# Allegro board T736_DEMO_DBOARD_V0-5-draft.brd (continued)
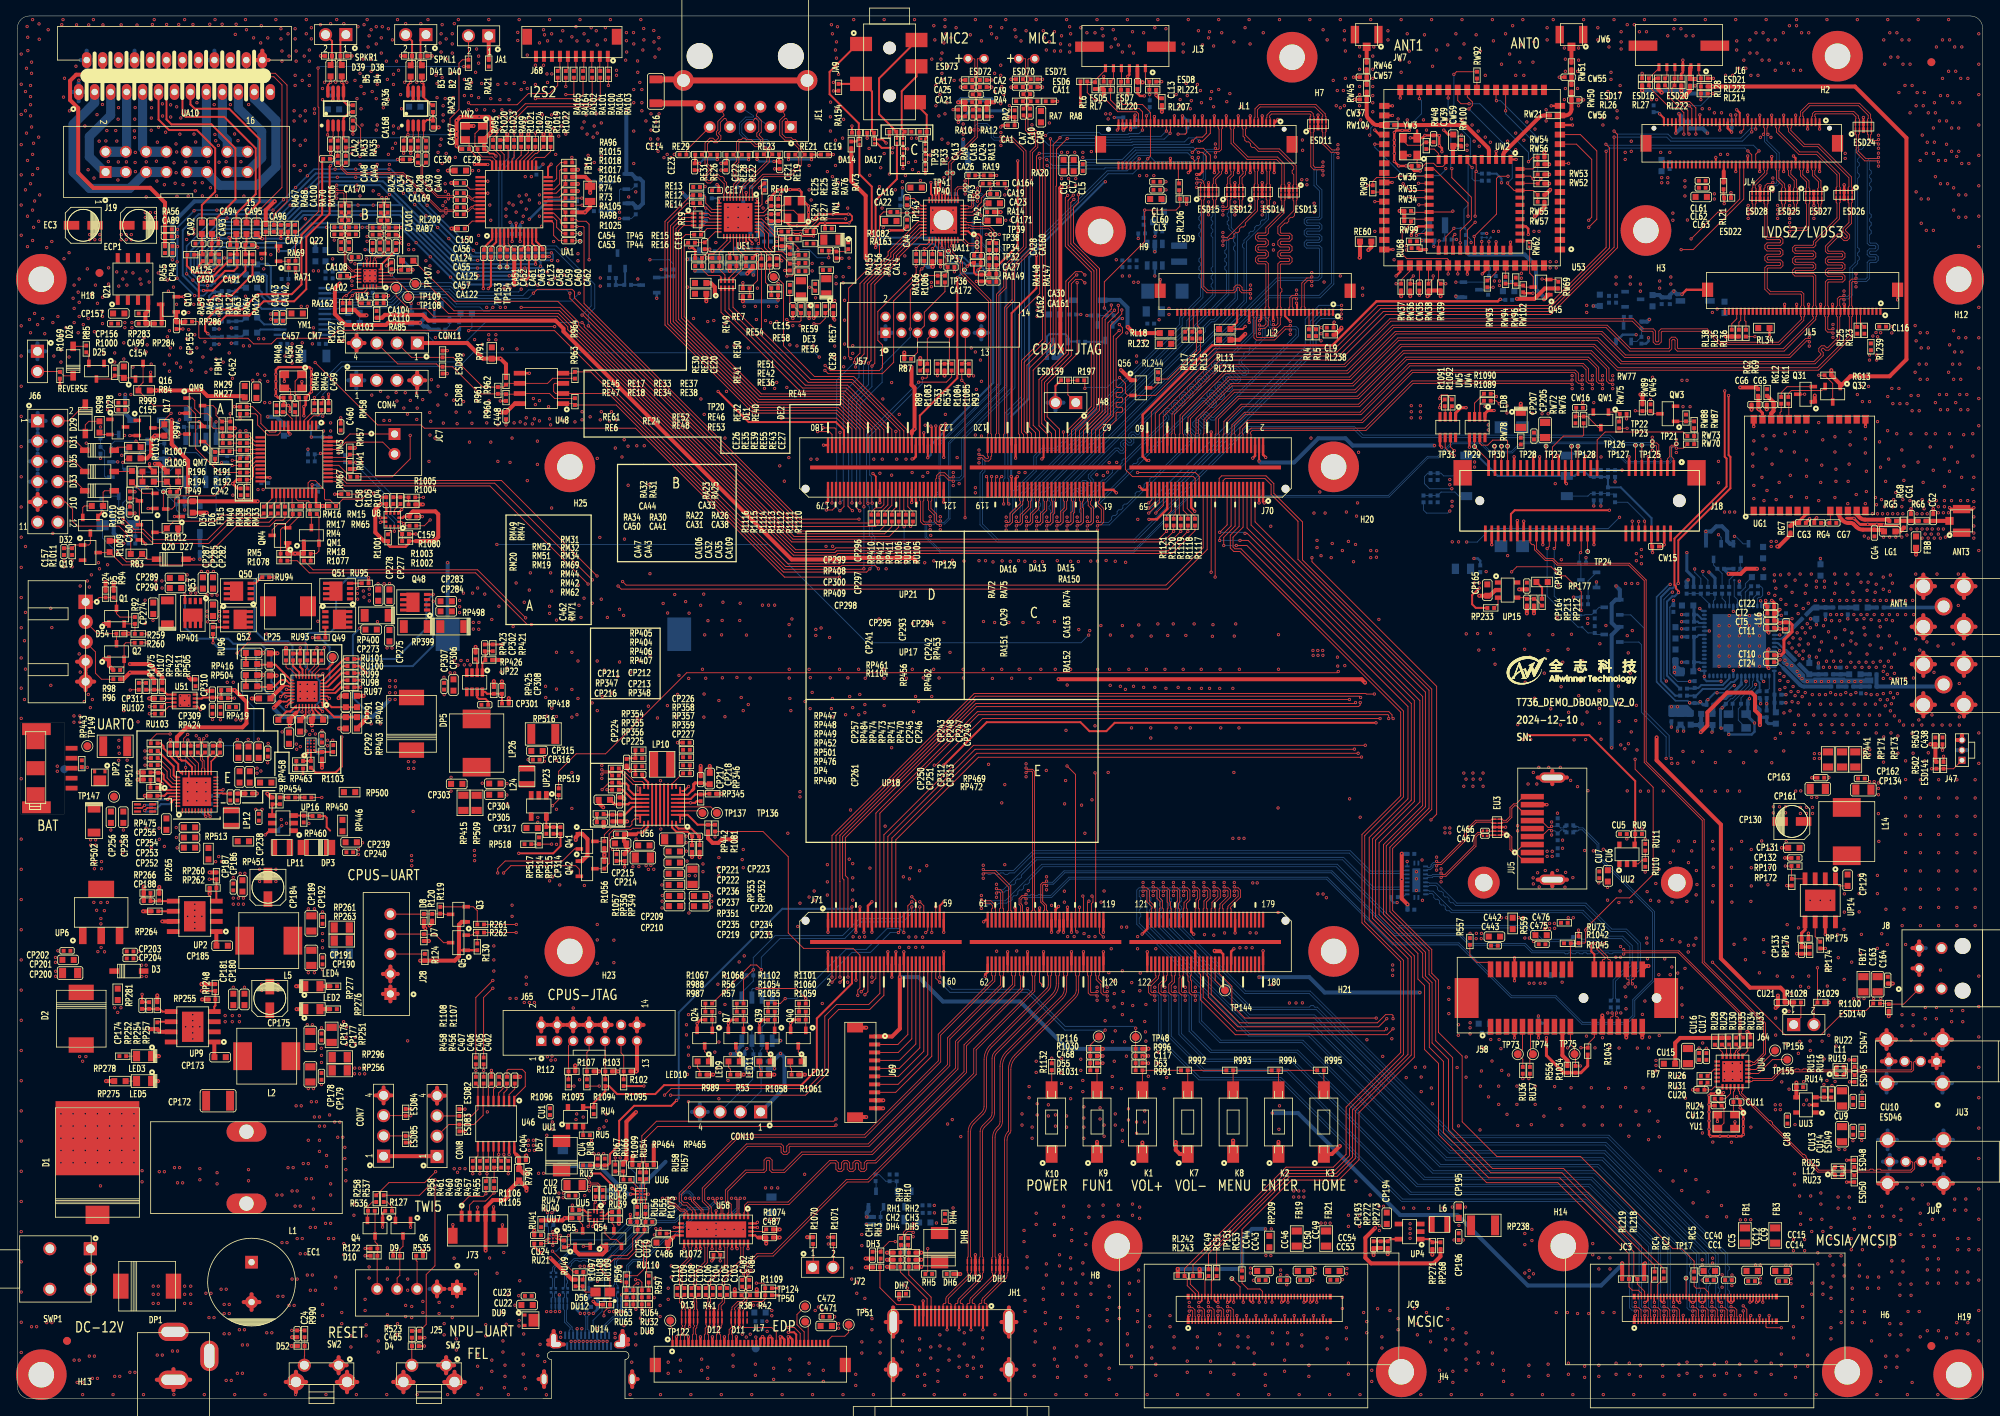
[diagram p0: board, top side]
## Routing (per net, layer and track width the routed paths; a pad name or vN(x,y) marks a point on that pad's centre or on a via; arc(x,y) is an arc through that point) (continued)
  BOTTOM w0.381: v1(190.55,47.96) 190.55,47.44 190.93,47.06 C478.2 ; v1(209.14,106.05) 209.14,103.76 210.01,102.9 CT40.1
  BOTTOM w0.508: 45.8,50.73 J28.1 ; J28.1 46.73,49.8 ; J28.1 47.66,50.73 ; J28.1 46.73,51.66 ; 52.71,4.19 SW3.1 ; SW3.1 53.71,3.18 ; SW3.1 54.72,4.19 ; SW3.1 53.71,5.19 ; 23.91,167.78 UA10.18 ; UA10.18 25.46,167.78 ; UA10.18 24.69,166.6 ; UA10.18 24.69,168.95 ; 7.69,162.6 UA10.1 ; UA10.1 8.46,163.77 ; UA10.1 7.69,164.95 ; UA10.1 6.91,163.77 ; 28.36,12.11 EC1.2 ; EC1.2 29.34,13.08 ; EC1.2 30.32,12.11 ; EC1.2 29.34,11.13 ; UA10.2 8.68,168.95 ; UA10.2 7.91,167.78 ; UA10.2 8.68,166.6 ; UA10.2 9.46,167.78 ; 234.29,25.79 JU4.5 ; JU4.5 234.29,28.15 ; JU4.5 233.12,26.97 ; JU4.5 235.47,26.97 ; 66.5,6.8 JU2.4 68.46,6.8 ; 192.29,64.22 JU5.10 ; JU5.10 190.46,65.05 ; JU5.10 194.12,65.05 ; JU5.10 192.29,65.88 ; CON4.4 50.09,128.64 ; CON4.4 49.08,127.64 ; CON4.4 50.09,126.63 ; CON4.4 51.09,127.64 ; JH1.21 125.15,9.6 ; JH1.21 124.22,7.78 ; JH1.21 123.29,9.6 ; JH1.21 124.22,11.43 ; JU4.4 235.42,29.7 ; JU4.4 233.71,29.7 ; JU4.4 234.56,28.85 ; JU4.4 234.56,30.56 ; 48.36,0.81 SW3.4 ; SW3.4 48.36,3.37 ; SW3.4 49.64,2.09 ; SW3.4 47.08,2.09 ; J28.2 46.73,54.16 ; J28.2 46.73,52.3 ; J28.2 47.66,53.23 ; J28.2 45.8,53.23 ; CL65.2 v1(197.43,136.96) ; SW2.3 41.3,3.37 ; SW2.3 42.58,2.09 ; SW2.3 40.02,2.09 ; SW2.3 41.3,0.81 ; v1(74.47,24.97) 74.22,25.22 CU18.1 ; JU3.5 234.17,40.72 ; JU3.5 235.34,39.54 ; JU3.5 232.99,39.54 ; JU3.5 234.17,38.36 ; JU4.6 234.29,33.62 ; JU4.6 234.29,31.26 ; JU4.6 233.12,32.44 ; JU4.6 235.47,32.44 ; JU2.6 65.98,3.43 ; JU2.6 65.98,1.47 ; JU2.6 65.3,2.45 ; 84.49,35.94 CON10.4 ; CON10.4 85.49,34.94 ; CON10.4 85.49,36.94 ; CON10.4 86.5,35.94 ; 54.15,13.75 J25.1 ; J25.1 55.07,14.68 ; J25.1 56,13.75 ; J25.1 55.07,12.82 ; JU3.4 235.29,42.28 ; JU3.4 233.58,42.28 ; JU3.4 234.44,41.42 ; JU3.4 234.44,43.13 ; 237.42,56.48 J8.3 ; J8.3 239.08,56.48 ; J8.3 238.25,55.65 ; J8.3 238.25,57.3 ; 51.64,13.75 J25.2 ; J25.2 52.57,12.82 ; J25.2 52.57,14.68 ; J25.2 53.5,13.75 ; 124.22,2.32 JH1.23 ; JH1.23 125.15,3.64 ; JH1.23 123.29,3.64 ; JH1.23 124.22,4.97 ; CL14.2 208.36,159.21 v1(207.77,158.62) ; CE3.1 86.38,142.96 v1(86.36,142.98) ; 241.17,38.36 JU3.7 ; JU3.7 239.99,39.54 ; JU3.7 242.34,39.54 ; JU3.7 241.17,40.72 ; SW2.4 36.18,2.09 ; SW2.4 34.9,3.37 ; SW2.4 34.9,0.81 ; SW2.4 33.62,2.09 ; JH1.20 109.72,11.43 ; JH1.20 108.79,9.6 ; JH1.20 109.72,7.78 ; JH1.20 110.65,9.6 ; UA10.8 15.46,167.78 ; UA10.8 14.68,166.6 ; UA10.8 14.68,168.95 ; UA10.8 13.91,167.78 ; JU4.8 241.29,33.62 ; JU4.8 240.12,32.44 ; JU4.8 241.29,31.26 ; JU4.8 242.47,32.44 ; J48.2 130.05,125.84 ; J48.2 131.05,124.84 ; J48.2 129.04,124.84 ; J48.2 130.05,123.84 ; 192.29,77.02 JU5.11 ; JU5.11 190.46,77.85 ; JU5.11 194.12,77.85 ; JU5.11 192.29,78.68 ; UA10.24 31.46,167.78 ; UA10.24 30.69,168.95 ; UA10.24 29.91,167.78 ; UA10.24 30.69,166.6 ; ESD86.1 v1(94.84,41.35) ; JU3.6 235.34,45.01 ; JU3.6 234.17,46.19 ; JU3.6 232.99,45.01 ; JU3.6 234.17,43.83 ; 242.98,81.28 J47.2 244.24,81.28 ; 241.29,25.79 JU4.7 ; JU4.7 240.12,26.97 ; JU4.7 242.47,26.97 ; JU4.7 241.29,28.15 ; 17.47,2.37 J1.2 ; J1.2 19.56,1.05 ; J1.2 21.64,2.37 ; J1.2 19.56,3.69 ; JH1.22 110.65,3.64 ; JH1.22 108.79,3.64 ; JH1.22 109.72,4.97 ; JH1.22 109.72,2.32 ; 54.76,0.81 SW3.3 ; SW3.3 54.76,3.37 ; SW3.3 53.48,2.09 ; SW3.3 56.04,2.09 ; JU2.5 77.02,3.43 ; JU2.5 77.02,1.47 ; JU2.5 77.7,2.45 ; JU3.8 241.17,46.19 ; JU3.8 239.99,45.01 ; JU3.8 242.34,45.01 ; JU3.8 241.17,43.83 ; 39.25,4.19 SW2.1 ; SW2.1 40.25,5.19 ; SW2.1 40.25,3.18 ; SW2.1 41.25,4.19 ; 67.18,8.48 JU2.3 66.5,7.3 ; 76.5,7.3 JU2.1 75.82,8.48 ; CL20.2 v1(210.19,164.55) ; 76.5,6.8 JU2.2 76.5,7.48 ; U47.5 v1(95.61,44.87) ; QH5.2 106.62,23.53 106.41,23.33 v1(106.41,22.77) RH25.1 ; v1(208.53,138.43) 207.9,138.43 v1(207.52,138.81) 207.01,138.3 RL30.2 CL19.1 205.71,138.33 CL18.1
  vias: v1(0.48,168.53) v1(0.48,164.74) v1(0.48,160.96) v1(0.48,157.18) v1(0.48,153.39) v1(0.48,149.61) v1(0.48,145.82) v1(0.48,134.47) v1(0.48,130.68) v1(0.48,126.9) v1(0.48,123.11) v1(0.48,119.33) v1(0.48,115.54) v1(0.48,111.76) v1(0.48,107.98) v1(0.48,104.19) v1(0.48,100.41) v1(0.48,96.62) v1(0.48,92.84) v1(0.48,89.05) v1(0.48,85.27) v1(0.48,77.7) v1(0.48,70.13) v1(0.48,66.34) v1(0.48,62.56) v1(0.48,58.78) v1(0.48,54.99) v1(0.48,51.21) v1(0.48,47.42) v1(0.48,43.64) v1(0.48,39.85) v1(0.48,36.07) v1(0.48,32.28) v1(0.48,28.5) v1(0.48,24.71) v1(0.48,20.93) v1(0.48,17.14) v1(0.48,13.36) v1(0.48,9.58) v1(0.48,5.79) v1(0.89,95) v1(0.89,87.63) v1(1.02,163.83) v1(1.02,161.42) v1(1.02,151.51) v1(1.02,106.81) v1(1.02,98.55) v1(1.02,91.44) v1(1.14,166.75) v1(1.14,158.62) v1(1.22,171.98) v1(1.3,170.64) v1(1.32,168.96) v1(1.27,155.19) v1(1.27,148.21) v1(1.27,144.4) v1(1.52,135.25) v1(1.65,164.59) v1(1.65,163.19) v1(1.65,162.18) v1(1.65,160.78) v1(1.65,152.27) v1(1.65,133.6) v1(1.78,167.51) v1(1.78,166.12) v1(1.78,159.38) v1(1.78,9.02) v1(1.91,172.85) v1(1.91,155.96) v1(1.91,153.42) v1(1.91,148.97) v1(1.91,145.16) v1(2.03,157.35) v1(2.03,146.81) v1(2.16,150.11) v1(2.16,136.02) v1(2.41,9.02) v1(2.54,154.18) v1(2.54,134.62) v1(2.72,172.31) v1(2.74,170.38) v1(2.67,158.12) v1(2.67,147.57) v1(2.79,150.88) v1(3.17,135.38) v1(3.43,133.48) v1(3.68,144.27) v1(3.68,9.53) v1(3.86,171.58) v1(4.19,99.06) v1(4.19,89.41) v1(4.32,145.03) v1(4.32,96.65) v1(4.32,9.53) v1(4.45,134.87) v1(4.45,108.46) v1(4.57,130.68) v1(4.78,55.3) v1(4.78,54.69) v1(4.8,53.57) v1(4.8,52.93) v1(5.08,135.64) v1(5.08,56.13) v1(5.46,131.44) v1(5.46,129.92) v1(5.46,35.7) v1(5.46,34.17) v1(5.46,32.63) v1(5.46,31.1) v1(5.46,29.57) v1(5.56,172.21) v1(5.59,133.22) v1(5.71,172.85) v1(5.78,163.13) v1(5.84,142.88) v1(5.84,105.03) v1(5.84,104.27) v1(5.9,165.5) v1(6.1,134.24) v1(6.52,161.41) v1(6.48,143.64) v1(6.48,130.56) v1(6.86,105.03) v1(6.86,104.27) v1(6.99,137.92) v1(6.99,35.7) v1(6.99,34.17) v1(6.99,32.64) v1(6.99,31.1) v1(6.99,29.57) v1(7.11,139.57) v1(7.11,136.65) v1(7.11,134.87) v1(7.11,4.83) v1(7.34,167) v1(7.42,172.19) v1(7.49,2.03) v1(7.62,138.68) v1(7.62,133.6) v1(7.71,165.25) v1(7.75,140.34) v1(7.75,137.41) v1(7.75,135.64) v1(7.75,93.34) v1(7.75,4.83) v1(7.87,101.85) v1(7.87,91.06) v1(8.13,2.03) v1(8.18,0.51) v1(8.26,134.62) v1(8.38,87.38) v1(8.46,159.51) v1(8.51,35.71) v1(8.51,34.17) v1(8.51,32.64) v1(8.51,31.1) v1(8.51,29.57) v1(8.76,141.6) v1(8.76,102.49) v1(8.94,172.19) v1(8.86,154.03) v1(8.89,135.38) v1(8.89,88.27) v1(9.02,101.73) v1(9.02,5.33) v1(9.05,165.18) v1(9.07,145.9) v1(9.07,145.26) v1(9.14,86.61) v1(9.27,138.43) v1(9.27,103.25) v1(9.4,87.63) v1(9.4,2.54) v1(9.53,172.85) v1(9.6,152.98) v1(9.58,62.2) v1(9.7,145.9) v1(9.7,145.26) v1(9.65,133.73) v1(9.65,5.33) v1(9.78,139.57) v1(9.93,61.21) v1(9.98,160.94) v1(10.03,137.29) v1(10.03,35.71) v1(10.03,34.18) v1(10.03,32.64) v1(10.03,31.11) v1(10.03,29.57) v1(10.03,2.54) v1(10.08,56.03) v1(10.25,157.61) v1(10.16,104.78) v1(10.34,145.9) v1(10.34,145.26) v1(10.29,104.01) v1(10.41,26.67) v1(10.5,165.18) v1(10.46,62.18) v1(10.46,60.17) v1(10.46,59.51) v1(10.49,56.54) v1(10.72,172.19) v1(10.66,162.21) v1(10.67,138.05) v1(10.67,136.27) v1(10.67,135.64) v1(10.67,134.75) v1(10.79,130.94) v1(10.9,61.16) v1(10.92,56.01) v1(11.08,157.64) v1(11.21,158.94) v1(11.3,124.84) v1(11.3,123.95) v1(11.3,104.52) v1(11.28,62.2) v1(11.4,155.05) v1(11.43,141.73) v1(11.43,139.7) v1(11.51,166.38) v1(11.49,165.42) v1(11.56,35.71) v1(11.56,34.18) v1(11.56,32.64) v1(11.56,31.11) v1(11.56,29.58) v1(11.71,71.27) v1(11.99,0.51) v1(12.19,131.06) v1(12.19,129.92) v1(12.19,2.79) v1(12.32,158.94) v1(12.45,141.22) v1(12.46,157.62) v1(12.62,160.36) v1(12.64,155.01) v1(12.6,152.74) v1(12.73,165.27) v1(12.67,161.81) v1(12.7,139.45) v1(12.73,82.51) v1(12.69,81.66) v1(12.7,80.01) v1(12.76,80.89) v1(12.83,2.79) v1(13,172.19) v1(12.95,69.85) v1(13.08,35.71) v1(13.08,34.18) v1(13.08,32.65) v1(13.08,31.11) v1(13.08,29.58) v1(13.21,140.34) v1(13.21,68.45) v1(13.34,132.33) v1(13.34,130.3) v1(13.34,86.23) v1(13.28,71.27) v1(13.59,141.22) v1(13.66,155.01) v1(13.72,139.57) v1(13.84,87.88) v1(13.75,80.02) v1(14.1,3.3) v1(14.33,166.37) v1(14.31,165.4) v1(14.48,141.1) v1(14.48,129.29) v1(14.61,35.72) v1(14.61,34.18) v1(14.61,32.65) v1(14.61,31.11) v1(14.61,29.58) v1(14.71,160.37) v1(14.66,158.9) v1(14.69,158.06) v1(14.73,3.3) v1(14.75,161.82) v1(14.77,156.21) v1(14.75,154.94) v1(14.78,153.79) v1(14.86,131.57) v1(14.99,172.16) v1(15.21,56.08) v1(15.21,55.17) v1(15.37,140.34) v1(15.49,139.7) v1(15.63,166.42) v1(15.6,165.46) v1(15.57,54.33) v1(15.6,52.91) v1(15.62,28.57) v1(15.62,27.18) v1(15.8,0.51) v1(15.88,132.97) v1(16.03,148.67) v1(16.03,148.03) v1(16,100.08) v1(16,97.16) v1(16.15,155.02) v1(16.14,150.62) v1(16.13,131.19) v1(16.13,71.5) v1(16.13,54.33) v1(16.15,52.91) v1(16.26,141.35) v1(16.26,132.08) v1(16.51,139.95) v1(16.51,69.85) v1(16.64,166.32) v1(16.62,165.36) v1(16.66,148.67) v1(16.66,148.03) v1(16.77,164.7) v1(16.78,162.79) v1(16.81,161.8) v1(16.79,160.51) v1(16.77,158.98) v1(16.76,129.67) v1(16.76,69.09) v1(16.92,172.24) v1(17.02,71.12) v1(17.14,172.85) v1(17.3,148.67) v1(17.3,148.03) v1(17.42,155.1) v1(17.54,157.49) v1(17.48,152.61) v1(17.53,5.46) v1(17.66,165.46) v1(17.68,159.37) v1(17.75,71.5) v1(17.78,70.1) v1(17.78,28.45) v1(18.18,162.29) v1(18.19,160.77) v1(18.16,5.46) v1(18.42,152.16) v1(18.41,129.67) v1(18.41,69.22) v1(18.41,28.45) v1(18.54,141.86) v1(18.57,158.73) v1(18.69,172.24) v1(18.8,140.21) v1(18.8,133.1) v1(18.92,138.81) v1(19.05,133.86) v1(19.05,130.81) v1(19.05,128.78) v1(19.2,162.17) v1(19.2,160.64) v1(19.18,131.7) v1(19.43,5.97) v1(19.64,165.49) v1(19.63,154.9) v1(19.56,139.32) v1(19.61,0.51) v1(19.66,166.46) v1(19.68,28.96) v1(19.76,152.34) v1(19.87,157.27) v1(19.89,153.66) v1(19.94,137.16) v1(19.94,129.79) v1(19.9,71.58) v1(19.93,70.33) v1(19.96,161.91) v1(19.95,156.25) v1(20,150.71) v1(20.02,69.04) v1(20.07,27.05) v1(20.07,5.97) v1(20.22,172.24) v1(20.32,28.96) v1(20.35,158.49) v1(20.45,131.7) v1(20.45,129.29) v1(20.47,160.52) v1(20.7,27.05) v1(20.76,152.16) v1(20.95,172.85) v1(21.1,155.01) v1(21.08,137.41) v1(21.08,46.61) v1(21.21,166.36) v1(21.22,165.35) v1(21.23,161.28) v1(21.21,145.29) v1(21.21,132.84) v1(21.27,103.25) v1(21.27,102.61) v1(21.34,76.07) v1(21.34,74.93) v1(21.34,60.45) v1(21.4,150.74) v1(21.46,145.92) v1(21.46,136.14) v1(21.46,133.99) v1(21.72,131.19) v1(21.72,129.92) v1(21.84,128.91) v1(21.85,165.35) v1(22,172.24) v1(21.97,48.13) v1(21.97,47.37) v1(21.97,46.61) v1(21.97,45.85) v1(21.97,45.09) v1(22.13,158.49) v1(22.1,146.56) v1(22.1,146) v1(22.1,137.16) v1(22.23,152.4) v1(22.23,133.35) v1(22.23,61.98) v1(22.23,61.21) v1(22.23,60.45) v1(22.23,59.69) v1(22.23,58.93) v1(22.34,157.5) v1(22.28,151.38) v1(22.37,155.01) v1(22.41,83.09) v1(22.5,162.43) v1(22.48,131.7) v1(22.48,77.22) v1(22.48,76.07) v1(22.62,164.59) v1(22.63,161.16) v1(22.86,46.61) v1(22.86,28.83) v1(22.86,27.43) v1(23.11,135.89) v1(23.05,103.68) v1(23.11,60.45) v1(23.17,152.4) v1(23.17,150.75) v1(23.24,130.56) v1(23.42,0.51) v1(23.5,132.46) v1(23.62,128.65) v1(23.62,77.22) v1(23.62,13.21) v1(23.72,83.09) v1(23.84,103.68) v1(23.77,98.69) v1(23.77,98.07) v1(23.84,97.36) v1(23.95,155.02) v1(24.01,166.22) v1(23.99,165.26) v1(24,10.16) v1(24.1,172.26) v1(24.19,151.77) v1(24.26,131.57) v1(24.26,129.03) v1(24.26,13.21) v1(24.45,85.12) v1(24.51,97.36) v1(24.56,103.68) v1(24.64,10.16) v1(24.66,162.19) v1(24.75,158.45) v1(24.77,172.85) v1(24.85,157.66) v1(24.89,130.3) v1(24.95,150.76) v1(25.02,28.32) v1(25.02,26.92) v1(25.18,157.08) v1(25.27,154.97) v1(25.34,98.66) v1(25.34,98.08) v1(25.34,97.46) v1(25.38,166.3) v1(25.44,85.1) v1(25.53,13.72) v1(25.65,172.26) v1(25.78,129.92) v1(25.91,11.81) v1(25.91,10.67) v1(25.91,8.13) v1(26.16,155.03) v1(26.16,13.72) v1(26.16,2.29) v1(26.37,165.26) v1(26.54,131.06) v1(26.54,11.81) v1(26.54,10.67) v1(26.54,8.13) v1(26.69,162.19) v1(26.8,2.29) v1(27.05,65.33) v1(27.05,51.56) v1(27.21,158.51) v1(27.23,0.51) v1(27.3,170.99) v1(27.34,165.24) v1(27.41,172.26) v1(27.65,157.67) v1(27.56,82.61) v1(27.56,3.18) v1(27.81,8.64) v1(27.91,65.84) v1(28.01,155.03) v1(28.19,6.73) v1(28.19,3.18) v1(28.32,131.95) v1(28.38,150.72) v1(28.45,51.56) v1(28.45,8.64) v1(28.5,65.84) v1(28.57,172.85) v1(28.57,138.18) v1(28.7,171.58) v1(28.83,6.73) v1(28.92,82.63) v1(28.98,162.2) v1(28.96,28.7) v1(28.96,27.3) v1(29.08,131.95) v1(29.49,127.64) v1(29.59,170.56) v1(29.87,73.86) v1(30.02,79.02) v1(30.02,78.4) v1(30.1,128.4) v1(30.19,82.66) v1(30.35,140.08) v1(30.38,127.64) v1(30.35,66.34) v1(30.35,65.58) v1(30.35,64.82) v1(30.48,169.93) v1(30.51,78.66) v1(30.56,172.09) v1(30.61,142.88) v1(30.61,51.94) v1(30.61,51.18) v1(30.69,165.23) v1(30.67,164.26) v1(30.66,73.86) v1(30.86,141.6) v1(30.99,128.27) v1(31.04,0.51) v1(31.24,8.26) v1(31.37,170.56) v1(31.37,127.51) v1(31.42,82.12) v1(31.75,143.38) v1(31.88,8.26) v1(32.38,172.85) v1(32.38,66.34) v1(32.38,65.58) v1(32.38,64.82) v1(32.51,25.53) v1(32.64,51.94) v1(32.64,51.18) v1(32.64,12.83) v1(33.02,171.7) v1(33.02,170.43) v1(33.15,168.91) v1(33.15,167.64) v1(33.06,72.58) v1(33.15,25.53) v1(33.15,19.56) v1(33.17,83.57) v1(33.27,12.83) v1(33.53,130.68) v1(33.72,72.12) v1(33.78,19.56) v1(33.91,171.07) v1(33.91,139.7) v1(33.91,28.96) v1(34.04,168.28) v1(34.04,11.68) v1(34.42,132.21) v1(34.42,131.32) v1(34.42,130.68) v1(34.42,129.79) v1(34.42,26.04) v1(34.42,14.99) v1(34.54,28.96) v1(34.67,161.42) v1(34.67,160.15) v1(34.67,157.73) v1(34.67,154.56) v1(34.67,11.68) v1(34.8,171.7) v1(34.8,170.43) v1(34.8,165.86) v1(34.8,164.59) v1(34.8,24.13) v1(34.85,0.51) v1(34.92,168.91) v1(34.92,167.64) v1(34.92,140.46) v1(34.92,36.7) v1(35.05,26.04) v1(35.05,20.07) v1(35.05,14.99) v1(35.43,160.78) v1(35.43,157.1) v1(35.43,153.92) v1(35.43,89.53) v1(35.43,88.65) v1(35.43,87.76) v1(35.43,24.13) v1(35.43,18.16) v1(35.56,36.7) v1(35.69,165.23) v1(35.69,132.33) v1(35.69,20.07) v1(35.81,29.46) v1(35.94,168.28) v1(36.07,161.42) v1(36.07,160.15) v1(36.07,157.73) v1(36.07,154.56) v1(36.07,18.16) v1(36.2,172.85) v1(36.2,171.07) v1(36.16,83.67) v1(36.2,27.56) v1(36.32,89.53) v1(36.32,88.65) v1(36.32,87.76) v1(36.32,46.86) v1(36.32,15.49) v1(36.45,61.39) v1(36.45,53.39) v1(36.45,38.86) v1(36.45,32.38) v1(36.45,29.46) v1(36.53,72.1) v1(36.58,169.04) v1(36.58,167.64) v1(36.58,165.86) v1(36.58,164.59) v1(36.63,83.25) v1(36.7,21.46) v1(36.7,13.59) v1(36.83,171.83) v1(36.83,170.43) v1(36.83,37.21) v1(36.83,27.56) v1(36.96,132.21) v1(36.97,83.73) v1(36.96,46.86) v1(36.96,15.49) v1(37.08,38.86) v1(37.08,25.15) v1(37.08,23.75) v1(37.21,89.53) v1(37.21,88.65) v1(37.21,87.76) v1(37.21,61.39) v1(37.21,53.39) v1(37.21,35.31) v1(37.34,83.3) v1(37.34,21.46) v1(37.34,13.59) v1(37.47,37.21) v1(37.85,35.31) v1(37.85,34.16) v1(37.85,32.38) v1(37.85,30.99) v1(37.97,172.21) v1(38.1,46.48) v1(38.1,39.37) v1(38.23,164.21) v1(38.23,162.81) v1(38.16,83.71) v1(38.23,61.01) v1(38.23,53.77) v1(38.23,11.81) v1(38.23,10.41) v1(38.48,165) v1(38.48,34.16) v1(38.61,21.97) v1(38.73,30.48) v1(38.73,29.08) v1(38.66,0.51) v1(38.99,20.07) v1(39.12,35.56) v1(39.24,172.34) v1(39.24,26.92) v1(39.24,25.53) v1(39.24,21.97) v1(39.5,142.85) v1(39.62,20.07) v1(39.7,145.21) v1(39.75,34.67) v1(39.88,165) v1(39.88,15.24) v1(39.88,13.84) v1(40.01,172.85) v1(40.01,150.47) v1(40.13,32.77) v1(40.39,34.67) v1(40.64,10.8) v1(40.64,9.4) v1(40.77,32.77) v1(40.89,172.34) v1(40.89,19.43) v1(40.89,18.03) v1(41.02,31.5) v1(41.02,30.1) v1(41.15,28.7) v1(41.15,27.3) v1(41.27,165) v1(41.78,7.87) v1(41.78,6.48) v1(41.91,156.08) v1(41.91,140.08) v1(41.91,139.52) v1(42.16,24.38) v1(42.16,22.99) v1(42.29,165.23) v1(42.55,162.94) v1(42.55,151.51) v1(42.47,0.51) v1(42.61,101.57) v1(42.6,100.91) v1(42.62,100.21) v1(42.67,171.96) v1(42.72,68.81) v1(42.74,68.2) v1(42.93,166.12) v1(42.93,155.7) v1(42.93,154.69) v1(42.93,150.75) v1(43.05,164.47) v1(43.05,161.67) v1(43.18,159.64) v1(43.24,69.67) v1(43.31,167.89) v1(43.31,156.72) v1(43.35,101.23) v1(43.43,172.21) v1(43.43,163.58) v1(43.42,100.47) v1(43.54,141.38) v1(43.54,140.74) v1(43.54,140.11) v1(43.56,165.35) v1(43.56,12.45) v1(43.56,11.05) v1(43.69,9.27) v1(43.69,7.87) v1(43.81,172.85) v1(43.81,145.67) v1(43.81,145.06) v1(43.94,169.42) v1(44.07,170.81) v1(44.08,101.47) v1(44.08,100.78) v1(44.09,100) v1(44.07,16.51) v1(44.07,15.11) v1(44.17,141.38) v1(44.17,140.74) v1(44.17,140.11) v1(44.32,171.58) v1(44.32,167.89) v1(44.32,166.37) v1(44.4,125.78) v1(44.45,163.83) v1(44.58,151.38) v1(44.83,156.34) v1(44.81,141.38) v1(44.81,140.74) v1(44.81,140.11) v1(44.96,171.96) v1(44.96,169.8) v1(44.96,159) v1(45.09,165.86) v1(45.09,164.72) v1(45.09,159.64) v1(45.09,154.69) v1(45.21,156.97) v1(45.19,102.14) v1(45.21,7.24) v1(45.21,5.84) v1(45.29,150.92) v1(45.49,126.26) v1(45.59,170.56) v1(45.59,168.66) v1(45.72,171.96) v1(45.85,161.8) v1(45.92,122.61) v1(45.95,102.15) v1(46.23,167.64) v1(46.32,94.09) v1(46.28,0.51) v1(46.35,165.35) v1(46.43,125.53) v1(46.35,16.38) v1(46.35,14.99) v1(46.35,10.54) v1(46.35,9.14) v1(46.48,171.7) v1(46.48,162.81) v1(46.48,155.96) v1(46.61,154.69) v1(46.63,122.61) v1(46.62,102.17) v1(46.94,94.08) v1(46.99,170.31) v1(46.99,156.72) v1(47.12,165.99) v1(47.12,164.72) v1(47.12,159.51) v1(47.12,158.62) v1(47.37,157.35) v1(47.45,126.11) v1(47.5,167.64) v1(47.55,125.04) v1(47.62,172.85) v1(47.62,9.4) v1(47.62,8) v1(47.75,166.5) v1(47.75,159.26) v1(48.01,163.45) v1(48.13,161.67) v1(48.41,124.16) v1(48.51,165) v1(48.64,172.34) v1(48.59,126.09) v1(48.64,11.68) v1(48.64,10.29) v1(48.87,123.39) v1(48.9,14.99) v1(48.9,13.59) v1(49.02,144.65) v1(49.02,144.02) v1(49.23,125.12) v1(49.4,11.56) v1(49.4,10.16) v1(49.66,144.02) v1(50.04,165) v1(50.01,126.06) v1(50.04,122.73) v1(50.09,124.16) v1(50.09,0.51) v1(50.55,172.34) v1(50.77,125.22) v1(50.8,12.19) v1(50.8,10.8) v1(51.18,142.62) v1(51.44,172.85) v1(51.56,117.47) v1(51.69,141.99) v1(51.69,126.19) v1(51.66,123.6) v1(51.69,120.78) v1(51.79,122.5) v1(51.87,127.71) v1(52.37,132.99) v1(52.45,165.86) v1(52.58,164.85) v1(52.58,163.07) v1(52.7,156.21) v1(52.7,153.92) v1(52.7,151.64) v1(52.7,141.22) v1(52.7,126.9) v1(52.68,124.54) v1(52.83,12.07) v1(52.83,10.67) v1(52.96,169.93) v1(52.96,157.1) v1(53.09,171.07) v1(53.09,168.78) v1(53.09,157.86) v1(53.21,172.21) v1(53.21,165.61) v1(53.21,154.81) v1(53.34,162.05) v1(53.34,160.91) v1(53.34,160.15) v1(53.31,149.54) v1(53.31,148.23) v1(53.37,122.28) v1(53.44,90.41) v1(53.47,9.4) v1(53.47,8) v1(53.59,162.94) v1(53.59,152.27) v1(53.62,151.32) v1(53.62,150) v1(53.72,170.43) v1(53.72,167.89) v1(53.72,156.08) v1(53.72,125.83) v1(53.77,132.97) v1(53.9,0.51) v1(54.23,165.1) v1(54.23,155.45) v1(54.22,90.97) v1(54.33,77.88) v1(54.33,76.15) v1(54.36,166.12) v1(54.36,161.67) v1(54.48,171.07) v1(54.48,169.8) v1(54.48,168.66) v1(54.48,11.56) v1(54.48,10.16) v1(54.61,163.07) v1(54.74,172.34) v1(54.66,125.15) v1(54.7,92.47) v1(54.71,17.6) v1(54.79,90.96) v1(54.86,155.57) v1(54.97,123.65) v1(54.99,101.73) v1(54.99,7.49) v1(54.99,6.1) v1(55.09,122.2) v1(55.24,172.85) v1(55.19,91.94) v1(55.4,100.05) v1(55.41,99.26) v1(55.4,98.53) v1(55.58,92.52) v1(55.78,139.17) v1(55.91,124.97) v1(55.88,100.97) v1(56.01,165.35) v1(56.01,163.32) v1(55.99,91.97) v1(56.39,92.52) v1(56.52,161.54) v1(56.64,145.54) v1(56.64,119.89) v1(56.67,123.65) v1(56.72,91.97) v1(56.9,164.97) v1(56.9,163.32) v1(56.95,122.25) v1(57.02,100.97) v1(57.28,132.74) v1(57.4,166.24) v1(57.43,15.65) v1(57.53,169.16) v1(57.53,161.54) v1(57.53,144.78) v1(57.66,125.04) v1(57.66,101.6) v1(57.66,5.46) v1(57.66,4.06) v1(57.71,0.51) v1(57.78,168.28) v1(57.78,167.39) v1(57.78,163.07) v1(57.78,145.8) v1(58.14,1.32) v1(58.17,164.85) v1(58.22,132.13) v1(58.55,161.54) v1(58.55,100.84) v1(58.67,9.27) v1(58.67,7.87) v1(58.8,136.78) v1(58.83,123.85) v1(58.8,122.3) v1(59.05,172.85) v1(59.08,125.07) v1(59.18,164.85) v1(59.18,149.61) v1(59.16,17.63) v1(59.31,162.94) v1(59.31,147.7) v1(59.31,119.89) v1(59.44,97.66) v1(59.44,4.83) v1(59.44,3.43) v1(59.69,161.42) v1(59.69,56.74) v1(59.69,54.99) v1(59.69,53.59) v1(60.1,15.72) v1(60.2,164.72) v1(60.2,122.05) v1(60.2,117.47) v1(60.33,160.66) v1(60.33,99.31) v1(60.45,162.81) v1(60.58,91.06) v1(60.71,161.54) v1(60.71,10.8) v1(60.76,131.57) v1(60.83,7.24) v1(60.83,5.84) v1(60.96,139.19) v1(61.01,1.37) v1(61.09,160.78) v1(61.14,136.78) v1(61.09,4.19) v1(61.09,2.79) v1(61.21,164.85) v1(61.21,149.1) v1(61.21,148.21) v1(61.24,9.32) v1(61.34,91.57) v1(61.34,77.09) v1(61.32,75.67) v1(61.47,13) v1(61.52,0.51) v1(61.59,162.81) v1(61.59,149.86) v1(61.72,161.42) v1(61.72,139.19) v1(61.72,117.35) v1(61.98,120.4) v1(61.98,61.85) v1(61.98,60.45) v1(62.1,149.61) v1(62.1,96.77) v1(62.23,164.85) v1(62.23,122.3) v1(62.33,11.71) v1(62.48,148.72) v1(62.48,102.23) v1(62.59,131.57) v1(62.69,171.25) v1(62.69,170.23) v1(62.81,12.9) v1(62.84,9.12) v1(62.87,172.85) v1(62.87,150.75) v1(62.94,14.78) v1(62.87,10.59) v1(62.87,9.8) v1(62.99,122.43) v1(63.12,164.08) v1(63.12,149.99) v1(63.37,159.38) v1(63.37,148.21) v1(63.42,8.1) v1(63.37,5.59) v1(63.37,4.19) v1(63.5,164.97) v1(63.5,99.82) v1(63.5,2.69) v1(63.63,160.15) v1(63.63,122.17) v1(63.68,1.24) v1(63.75,150.88) v1(63.75,149.1) v1(63.75,122.94) v1(63.88,168.4) v1(63.88,164.21) v1(63.88,115.06) v1(64.14,160.66) v1(64.14,150.24) v1(64.14,101.35) v1(64.26,103.5) v1(64.52,122.17) v1(64.64,125.35) v1(64.77,122.81) v1(64.9,167.13) v1(64.9,164.72) v1(64.9,124.59) v1(65.15,120.02) v1(65.15,117.09) v1(65.2,72.85) v1(65.2,72.24) v1(65.2,5.38) v1(65.3,28.24) v1(65.41,169.93) v1(65.41,150.88) v1(65.41,149.86) v1(65.41,148.21) v1(65.41,125.09) v1(65.41,122.56) v1(65.53,159.89) v1(65.48,6.81) v1(65.66,146.94) v1(65.79,160.91) v1(65.91,171.58) v1(65.91,167.13) v1(65.91,164.21) v1(65.91,28.24) v1(66.04,170.94) v1(66.01,80.47) v1(66.01,79.88) v1(66.04,23.69) v1(66.07,4.65) v1(66.17,89.28) v1(66.19,87.88) v1(66.34,85.55) v1(66.33,33.01) v1(66.3,10.91) v1(66.27,0.48) v1(66.42,170.18) v1(66.42,164.97) v1(66.42,159.77) v1(66.42,141.22) v1(66.41,34.06) v1(66.55,139.83) v1(66.55,124.33) v1(66.67,172.85) v1(66.67,122.81) v1(66.67,99.31) v1(66.67,98.42) v1(66.8,122.05) v1(66.8,103.5) v1(66.93,171.07) v1(66.93,160.91) v1(66.93,111.63) v1(66.93,101.22) v1(66.95,86.54) v1(67.01,34.68) v1(67.04,33.78) v1(67.18,159.26) v1(67.18,145.03) v1(67.31,140.46) v1(67.44,155.96) v1(67.36,23.69) v1(67.56,160.91) v1(67.69,142.62) v1(67.69,141.48) v1(67.82,158.24) v1(67.94,122.81) v1(68.05,8.31) v1(68.07,170.18) v1(68.07,7.69) v1(68.2,159.51) v1(68.2,139.83) v1(68.33,171.45) v1(68.45,140.84) v1(68.58,122.56) v1(68.71,160.66) v1(68.71,158.5) v1(68.71,144.15) v1(69.47,170.69) v1(69.85,122.43) v1(69.98,171.96) v1(69.98,34.98) v1(70.1,170.18) v1(70.1,85.72) v1(70.07,35.68) v1(70.23,143.51) v1(70.23,142.62) v1(70.23,140.34) v1(70.23,92.46) v1(70.23,87.76) v1(70.36,99.44) v1(70.48,172.85) v1(70.49,16.59) v1(70.61,97.92) v1(70.74,159.26) v1(70.74,123.7) v1(70.74,122.68) v1(70.99,171.07) v1(70.99,160.02) v1(70.99,100.33) v1(71.25,160.91) v1(71.25,154.69) v1(71.37,158.5) v1(71.5,170.18) v1(71.5,155.83) v1(71.75,123.06) v1(71.88,171.83) v1(72.01,99.69) v1(72.01,87.2) v1(72.14,158.12) v1(72.12,16.59) v1(72.26,159.51) v1(72.26,154.94) v1(72.52,171.45) v1(72.52,161.04) v1(72.64,169.67) v1(72.64,158.62) v1(72.64,117.86) v1(72.64,92.46) v1(72.64,86.23) v1(72.67,14.73) v1(72.82,30.68) v1(72.9,154.05) v1(73.03,122.68) v1(73.15,159.89) v1(73.15,155.7) v1(73.15,123.7) v1(73.15,100.2) v1(73.22,79.36) v1(73.22,77.74) v1(73.28,88.01) v1(73.44,30.7) v1(73.53,91.31) v1(73.48,34.06) v1(73.66,171.83) v1(73.66,170.31) v1(73.78,35.67) v1(73.79,34.82) v1(73.91,97.92) v1(74.17,122.56) v1(74.16,10.91) v1(74.3,172.85) v1(74.42,123.7) v1(74.52,88.44) v1(74.56,70.32) v1(74.56,68.85) v1(74.88,8.18) v1(74.88,7.65) v1(75.06,122.68) v1(75.21,90.55) v1(75.17,68.85) v1(75.44,98.93) v1(75.44,92.33) v1(75.62,14.68) v1(75.67,16.56) v1(75.95,98.17) v1(76,9.14) v1(76.2,167.77) v1(76.3,171.22) v1(76.3,170.21) v1(76.33,168.78) v1(76.58,150.62) v1(76.83,91.06) v1(76.76,0.51) v1(76.96,4.57) v1(77.11,66.67) v1(77.19,171.22) v1(77.22,169.8) v1(77.22,164.08) v1(77.22,162.43) v1(77.22,158.88) v1(77.22,154.81) v1(77.47,151.26) v1(77.51,70.13) v1(77.47,8.13) v1(77.47,6.73) v1(77.65,85.39) 